# Altium PCB LNA.PcbDoc
Units mil, origin at the board's own origin, x right, y up, seen from the top; angles counter-clockwise.
Board outline 1400 x 960 mil, 2 copper layers (Top Layer, Bottom Layer); 9 components, 6 nets, 24 pads, 197 vias.
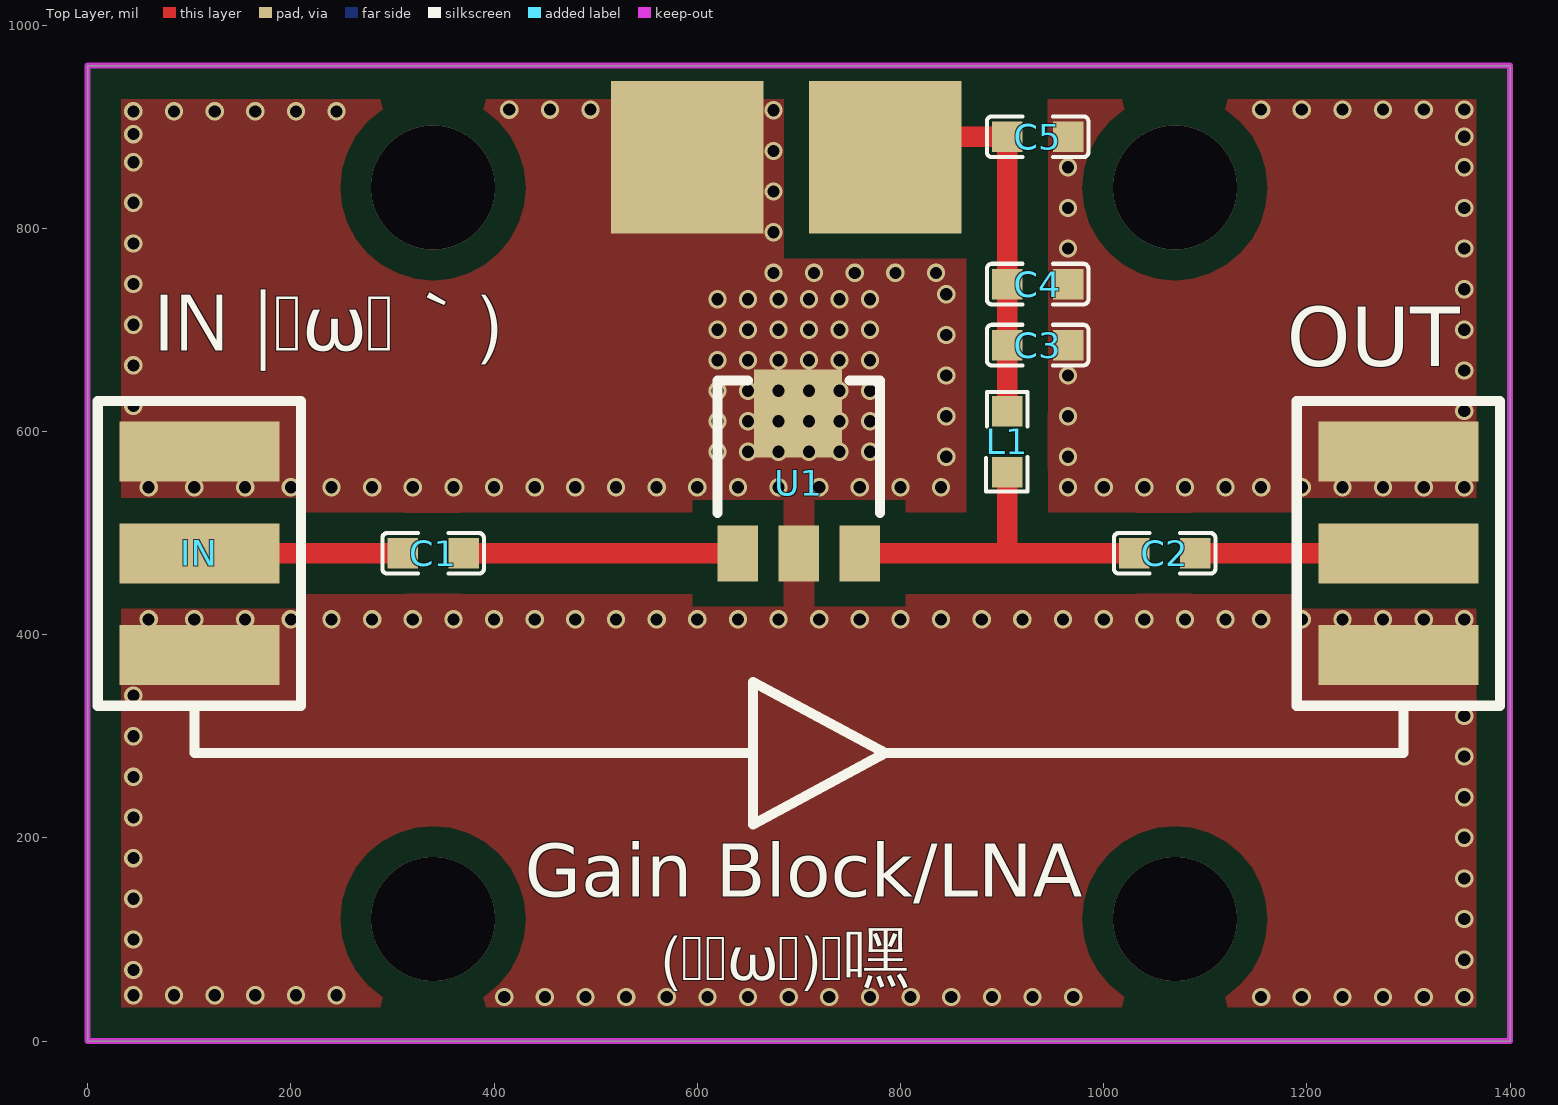
[diagram p0: Top Layer view]
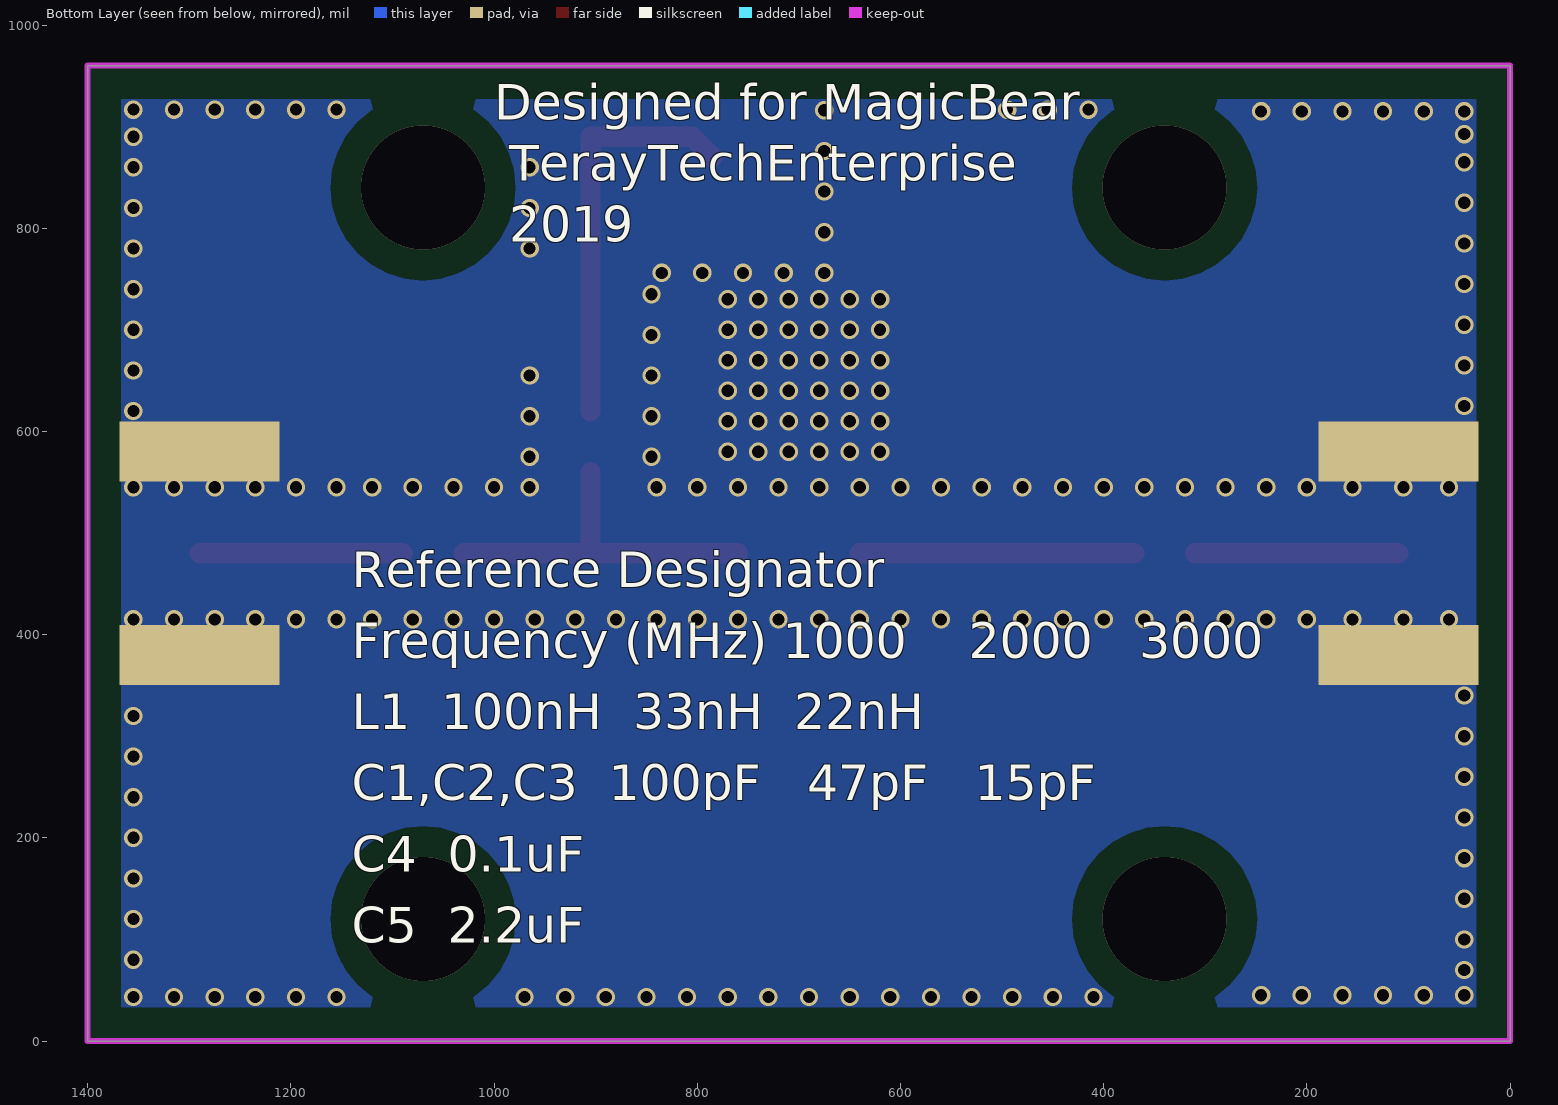
[diagram p1: Bottom Layer view, seen from below]
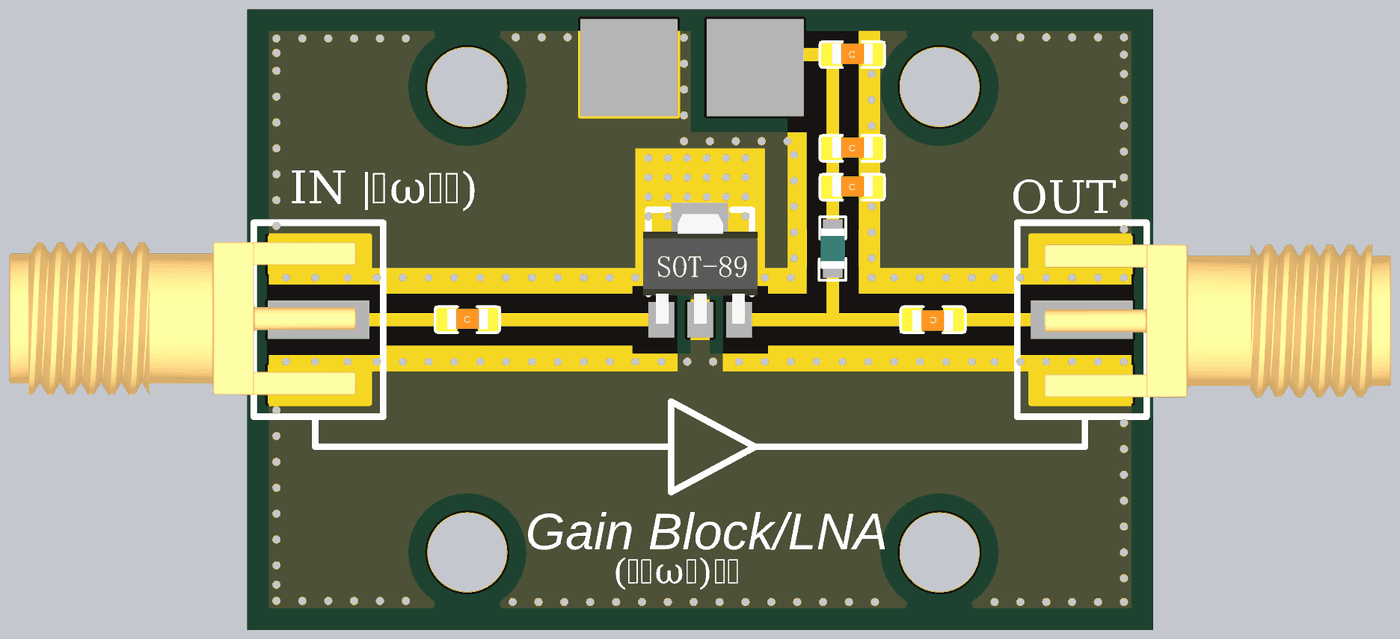
[diagram p2: 3D render of the assembled board from above, using the file's embedded part models]

## Layer stack, top to bottom
Top Solder: solder mask 0.4, Solder Resist, Dk 3.5
Top Layer: signal copper 1.4
Dielectric 1: dielectric 12.6, FR-4, Dk 4.8
Bottom Layer: signal copper 1.4
Bottom Solder: solder mask 0.4, Solder Resist, Dk 3.5

## Board outline
0,0 1400,0 1400,960 0,960

## Design rules (kind name [scope] priority, off if disabled: settings)
Clearance [All] p1: gap=10 ignorepadtopadclearanceinfootprint=FALSE except(0: Arc-Hole Track-Hole SMDPad-Hole THPad-Hole Via-Hole Fill-Fill Fill-Poly Fill-Region Fill-Hole Poly-Poly Poly-Region Poly-Hole Region-Region Region-Hole Text-Hole; 25: SMDPad-Fill SMDPad-Poly SMDPad-Region; 30: Arc-Fill Arc-Poly Arc-Region Track-Fill Track-Poly Track-Region THPad-Fill THPad-Poly THPad-Region Via-Fill Via-Poly Via-Region)
PolygonConnect [All] p1: connectstyle=Direct reliefconductorwidth=10 reliefentries=4 polygonreliefangle="90 Angle" airgapwidth=10
RoutingVias [All] p1: holewidth=28 width=50 viastyle="Through Hole" minholewidth=28 minwidth=50 maxholewidth=28 maxwidth=50
SolderMaskExpansion [All] p1: expansion=4
Width [All] p1: maxlimit=30 minlimit=10 preferedwidth=20 bottomlayer_maxwidth=10 bottomlayer_prefwidth=10 minimp=50.000000 maximp=50.000000 favimp=50.000000
30 further rules are at their usual default settings.

## Components (designator, comment, footprint, x,y, rotation, side; value= is the part's Value field where it differs from the comment)
C1 "100pF,NP0" 0603_C 340,480 r0 top value=104
C2 "100pF,NP0" 0603_C 1060,480 r180 top value=104
C3 "100pF" 0603_C 935,685 r0 top value=104
C4 "0.1uF" 0603_C 935,745 r0 top value=104
C5 "2.2uF" 0603_C 935,890 r0 top value=104
IN "SMA-KHD" SMA-2 110,480 r270 top
L1 "100nH" 0603 905,590 r90 top
OUT "SMA-KHD" SMA-2 1290,480 r90 top
U1 "LNA-GAINBLOCK" SOT-89 701.82,480.57 r0 top

## Footprints (in the part's own frame and the unit in brackets; to place one, negate y for a bottom-side part, rotate by r counter-clockwise, add the part's x,y. Pads: shape width x height; smd on the part's side, far side on the other; paste and mask are expansions set on the pad)
0603 [mil]
  rect 30x30 smd: 1(-30,0) 2(30,0)
  silkscreen extent -49,-20 49,21, body extent -31,-18 31,19, height 34
0603_C [mil] "Capacitor"
  rect 30x30 smd: 1(-30,0) 2(30,0)
  silkscreen extent -50,-20 50,20, body extent -51,-18 52,21, height 35
SMA-2 [mm]
  rect 1.5x4 all layers, no hole: 1(-2.54,0) 1(2.54,0)
  rect 1.5x4 smd: 2(0,0)
  silkscreen extent -3.81,-2.54 3.81,2.54, body extent -3.05,-12.13 2.95,1.47, height 3.2
SOT-89 [mil]
  rect 40x55 smd: 1(-61.82,-0.57) 2(-1.82,-0.57) 3(58.18,-0.57)
  rect 86.61x86.61 smd: 2(-2.76,137.22)
  silkscreen extent -82,39 78,169, body extent -90,-6 87,163, height 59

## Part data
C1 C2 C3 C4 C5: library part CAP, "Capacitor", LatestRevisionDate=17-Jul-2002, LatestRevisionNote="Re-released for DXP Platform.", PackageReference=RAD-0.3, Published=8-Jun-2000, Publisher="Altium Limited"
IN OUT: library part SMA_KHD
L1: library part L_Inductance
U1: library part LNA

## Free pads (board coordinates)
  rect 150x150 smd: 1(590,870) 2(785,870)

## Via types
v1: diameter 18, hole 12, Top Layer to Bottom Layer, tented both sides, 193 vias
v2: diameter 122.05, hole 122.05, Top Layer to Bottom Layer, 4 vias

## Nets (pads, with @x,y where several pads share a name; then routed paths per layer and width w, separated by ;. In a path a pad name is that pad's centre, name@x,y a point inside that pad or via, vN(x,y) a via of type N, cw(c..) or ccw(c..) an arc to the next point about the centre after c; other vN are vias at no path point)
GND: C3.2 C4.2 C5.2 IN.1 OUT.1 pad.1 U1.2
  other v1: 410,43.28 450,43.28 490,43.28 530,43.28 570,43.28 610,43.28 650,43.28 690,43.28 730,43.28 770,43.28 810,43.28 850,43.28 890,43.28 930,43.28 970,43.28 1155,43.28 1195,43.28 1235,43.28 1275,43.28 1315,43.28 1355,43.28 45,45 85,45 125,45 165,45 205,45 245,45 45,70 1355,80 45,100 1355,120 45,140 1355,160 45,180 1355,200 45,220 1355,240 45,260 1355,280 45,300 1355,320 45,340 60,415 105,415 155,415 200,415 240,415 280,415 320,415 360,415 400,415 440,415 480,415 520,415 560,415 600,415 640,415 680,415 720,415 760,415 800,415 840,415 880,415 920,415 960,415 1000,415 1040,415 1080,415 1120,415 1155,415 1195,415 1235,415 1275,415 1315,415 1355,415 60,545 105,545 155,545 200,545 240,545 280,545 320,545 360,545 400,545 440,545 480,545 520,545 560,545 600,545 640,545 680,545 720,545 760,545 800,545 840,545 965,545 1000,545 1040,545 1080,545 1120,545 1155,545 1195,545 1235,545 1275,545 1315,545 1355,545 845,575 965,575 620,580 650,580 680,580 710,580 740,580 770,580 620,610 650,610 680,610 710,610 740,610 770,610 845,615 965,615 1355,620 45,625 620,640 650,640 680,640 710,640 740,640 770,640 845,655 965,655 1355,660 45,665 620,670 650,670 680,670 710,670 740,670 770,670 845,695 620,700 650,700 680,700 710,700 740,700 770,700 1355,700 45,705 620,730 650,730 680,730 710,730 740,730 770,730 845,735 1355,740 45,745 675,756.05 715,756.05 755,756.05 795,756.05 835,756.05 965,780 1355,780 45,785 675,796.05 965,820 1355,820 45,825 675,836.05 965,860 1355,860 45,865 675,876.05 1355,890 45,892.62 45,915 85,915 125,915 165,915 205,915 245,915 675,916.05 415,916.72 455,916.72 495,916.72 1155,916.72 1195,916.72 1235,916.72 1275,916.72 1315,916.72 1355,916.72
NetC1_1: C1.1 IN.2 | length 200
  Top Layer w20: IN.2 C1.1
NetC1_2: C1.2 U1.1 | length 270
  Top Layer w20: C1.2 U1.1
NetC2_1: C2.1 OUT.2 | length 200
  Top Layer w20: C2.1 OUT.2
NetC2_2: C2.2 L1.1 U1.3 | length 350
  Top Layer w20: U1.3 930,480 C2.2 ; 905,480 L1.1
VCC: C3.1 C4.1 C5.1 L1.2 pad.2 | length 398.3
  Top Layer w20: pad.2 805,890 C5.1 C4.1 C3.1 L1.2
copper on no net:
  other v2: 340,120 1070,120 340,840 1070,840

## Polygon pours and split planes (outlines as drawn)
GND on Top Layer "Top Layer-GND" (solid, remove dead copper, pour order 2): -5,995 -5,-10 1410,-10 1420,0 1420,980
no net on Top Layer "Top Layer-No Net" (solid, pour order 0): 20,580
GND on Bottom Layer "Bottom Layer-GND" (solid, pour order 6): -10,975 -10,0 15,-25 35,-5 1415,-5 1415,965 1410,970

## Keep-outs
Keep-Out Layer:
  the board outline again, w6

## Silkscreen, mask and mechanical layers (free items; w line width, h text height)
Top Overlay:
  lines w10: 105,330 105,283.33 345,283.33 655,283.33 ; 1295,330 1295,283.33 785,283.33 ; 655,283.33 655,353.33 785,283.33 ; 655,283.33 655,213.33 785,283.33
  text "IN |･ω･｀)" at 65,660 h100
  text "Gain Block/LNA" at 430,125 h90
  text "(｢･ω･)｢嘿" at 565,44.64 h80
Bottom Overlay:
  text "Designed for MagicBear" at 1000,895 h60
  text "TerayTechEnterprise  / 2019" at 985,775 h60
  text "Reference Designator" at 1140,435 h60
  text "Frequency (MHz) 1000    2000   3000" at 1140,365 h60
  text "L1  100nH  33nH  22nH" at 1140,295 h60
  text "C1,C2,C3  100pF   47pF   15pF" at 1140,225 h60
  text "C4  0.1uF" at 1140,155 h60
  text "C5  2.2uF" at 1140,85 h60
Top Solder:
  rectangle: 600,555 800,745
  rectangle: 835,520 978.54,926.72
  rectangle: 735,400 1370,560
  rectangle: 30,400 665,560
Bottom Solder:
  rectangle: 600,555 800,745